# Altium PCB PCB 2 layer 10 x 10.PcbDoc (part 3 of 3)
Units mil, origin at the board's own origin, x right, y up, seen from the top; angles counter-clockwise.
Board outline 3937.01 x 3937.01 mil, 2 copper layers (Top Layer, Bottom Layer); 219 components, 191 nets, 758 pads, 513 vias.
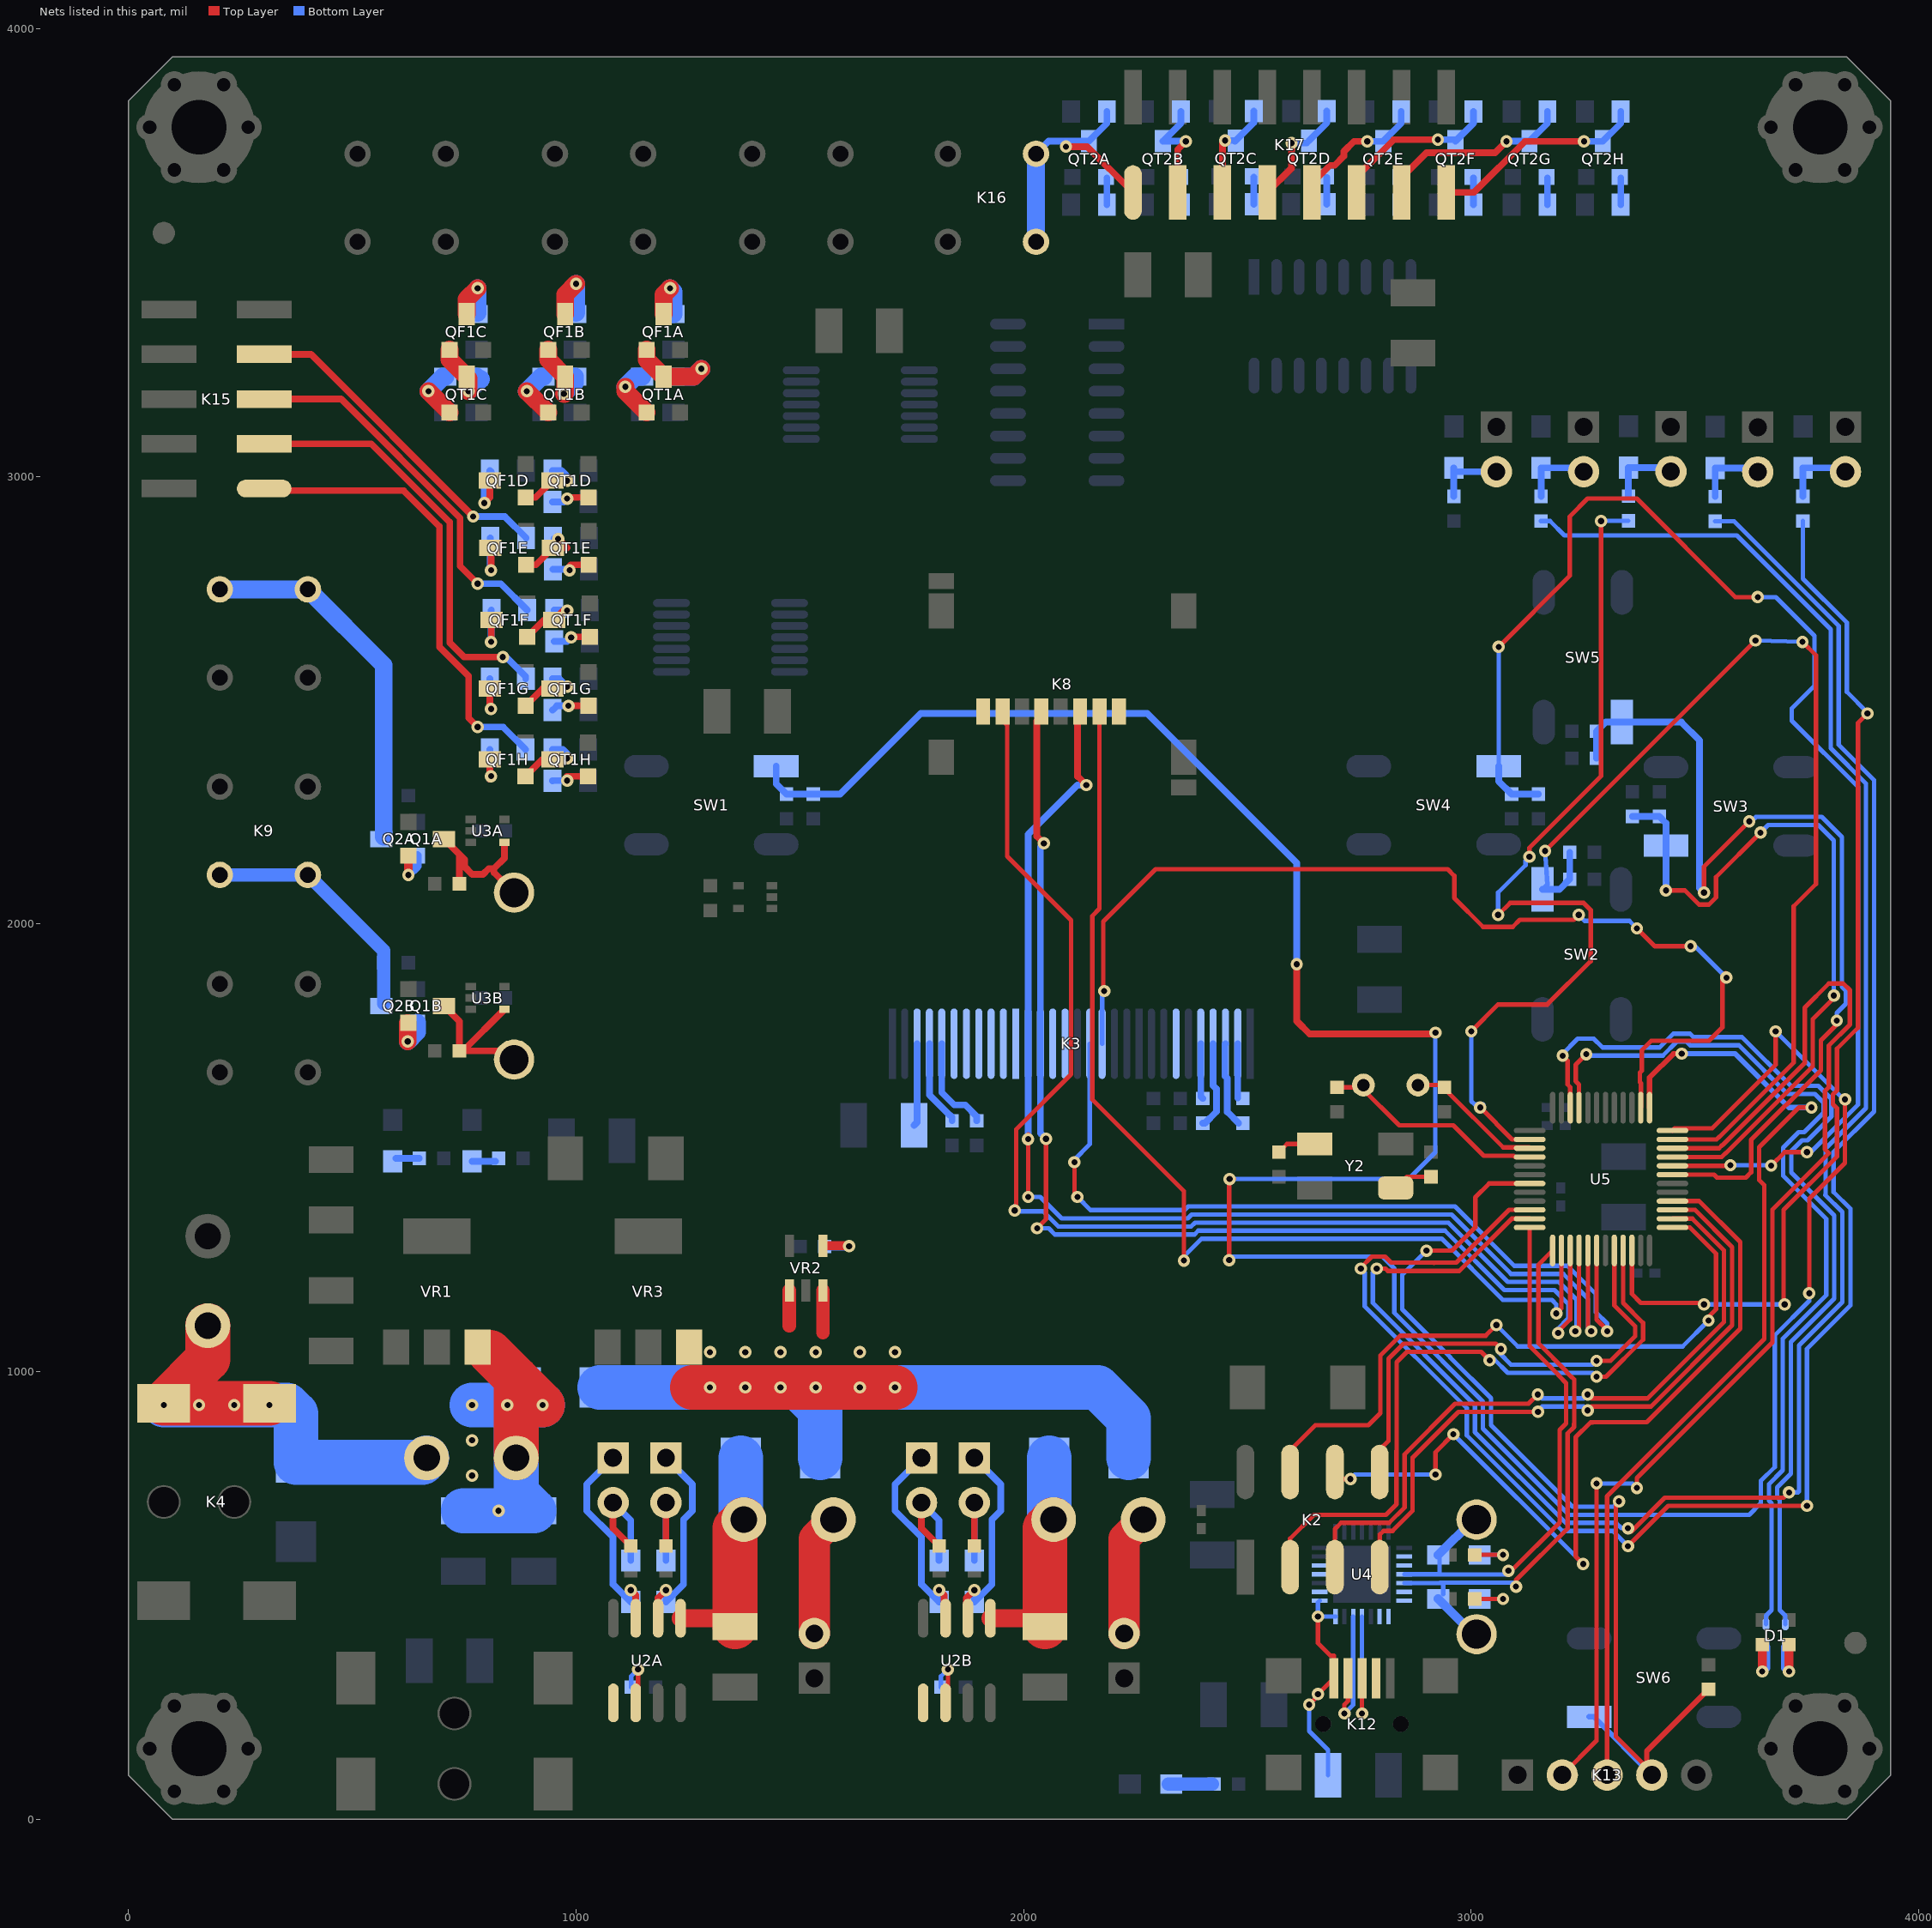
[diagram p3: the nets of this part, all layers, seen from the top]

## Via types
v1: diameter 27.56, hole 13.78, Top Layer to Bottom Layer, 513 vias

## Nets (pads, with @x,y where several pads share a name; then routed paths per layer and width w, separated by ;. In a path a pad name is that pad's centre, name@x,y a point inside that pad or via, vN(x,y) a via of type N, cw(c..) or ccw(c..) an arc to the next point about the centre after c; other vN are vias at no path point) (continued)
IROUTE: K15.7 R16E.1 | length 755.1
  Top Layer w15: K15.7@303.15,3272.44 407.56,3272.44 v1(770,2910)
  Bottom Layer w15: v1(770,2910) 840.63,2910 R16E.1@888.37,2862.26
IROUTF: K15.5 R16F.1 | length 845.9
  Top Layer w15: K15.5@303.15,3172.44 475.03,3172.44 740.72,2906.75 740.72,2799.28 v1(780,2760)
  Bottom Layer w15: v1(780,2760) 831.85,2760 R16F.1@890.83,2701.02
IROUTG: K15.3 R16G.1 | length 964
  Top Layer w15: K15.3@303.15,3072.44 542.51,3072.44 717.72,2897.23 717.72,2628.28 749.74,2596.26 v1(836.26,2596.26)
  Bottom Layer w15: v1(836.26,2596.26) 839.64,2596.26 841.69,2598.31 887.5,2552.5 R16G.1@887.5,2547.5
IROUTH: K15.1 R16H.1 | length 1037.6
  Top Layer w15: K15.1@303.15,2972.44 307.59,2968 614.42,2968 694.72,2887.7 694.72,2618.75 760,2553.47 760,2460 v1(780,2440)
  Bottom Layer w15: v1(780,2440) 836.81,2440 R16H.1@887.05,2389.76
KE: D2E.K K1E.1 U2A.7 | length 481.3
  Top Layer w15: v1(1122.05,511.81) 1133.27,500.59 U2A.7@1133.27,448.82
  Bottom Layer w15: K1E.1@1082.68,807.09 1023.62,748.03 1023.62,688.98 1082.68,629.92 1082.68,524.61 D2E.K@1122.05,485.24 v1(1122.05,511.81)
KF: D2F.K K1F.1 U2A.6 | length 467.6
  Top Layer w15: U2A.6@1183.27,448.82 1183.27,494.29 v1(1200.79,511.81)
  Bottom Layer w15: v1(1200.79,511.81) D2F.K@1200.79,485.24 1240.16,524.61 1240.16,669.29 1259.84,688.98 1259.84,748.03 K1F.1@1200.79,807.09
KG: D2G.K K1G.1 U2B.7 | length 481.3
  Top Layer w15: v1(1811.02,511.81) 1822.24,500.59 U2B.7@1822.24,448.82
  Bottom Layer w15: K1G.1@1771.65,807.09 1712.6,748.03 1712.6,688.98 1771.65,629.92 1771.65,524.61 D2G.K@1811.02,485.24 v1(1811.02,511.81)
KH: D2H.K K1H.1 U2B.6 | length 467.6
  Top Layer w15: U2B.6@1872.24,448.82 1872.24,494.29 v1(1889.76,511.81)
  Bottom Layer w15: v1(1889.76,511.81) D2H.K@1889.76,485.24 1929.13,524.61 1929.13,669.29 1948.82,688.98 1948.82,748.03 K1H.1@1889.76,807.09
LED: R3I.2 U5.11 | length 4507.9
  Top Layer w10: v1(2788.78,1230) 2808.54,1230 2813.82,1224.73 2973.43,1224.73 3090.12,1341.42 U5.11@3130.55,1341.42 ; v1(3350,650) 3357.27,642.73 3432.54,718 3698,718 v1(3710,730)
  Bottom Layer w10: v1(2788.78,1230) 2780,1221.22 2780,1153.33 3008,925.33 3008,865.09 3211.09,662 3323.46,662 3335.46,650 v1(3350,650) ; R3I.2@3156,2900 3176,2900 3208,2868 3593.09,2868 3803,2658.09 3803,2392.54 3882,2313.54 3882,1588.46 3791.54,1498 3791.54,1394.54 3791.14,1394.14 3829,1356.28 3829,1155.46 3732,1058.46 3732,732 3730,730 v1(3710,730)
LED_GREEN: D1.A1 U5.45 | length 2042.9
  Top Layer w10: U5.45@3240.79,1589.45 3240.79,1641.34 3233.22,1648.91 3233.22,1671.09 3233.22,1685.22 v1(3257,1709)
  Bottom Layer w10: v1(3257,1709) 3260.07,1705.93 3428.06,1705.93 3458.91,1736.78 3481.09,1736.78 3488.87,1729 3597.54,1729 3706.54,1620 3767.87,1620 3786.78,1601.09 3786.78,1577.69 3743.87,1534.78 3731.45,1534.78 3697,1500.33 3697,1437.37 3793,1341.37 3793,1170.37 3696,1073.37 3696,779.33 3665.22,748.55 3665.22,711.45 3671,705.67 3671,467.02 3658.35,454.37 D1.A1@3658.35,435.59
LED_ORANGE: D1.A2 U5.46 | length 2143
  Top Layer w10: v1(3204.26,1705.46) 3215.22,1694.49 3215.22,1641.45 3221.1,1635.57 U5.46@3221.1,1589.45
  Bottom Layer w10: v1(3204.26,1705.46) 3202,1707.71 3237.8,1743.51 3273.51,1743.51 3293.1,1723.93 3420.6,1723.93 3451.45,1754.78 3488.55,1754.78 3496.33,1747 3605,1747 3714,1638 3775.33,1638 3804.78,1608.55 3804.78,1570.24 3751.32,1516.78 3738.91,1516.78 3715,1492.87 3715,1444.82 3811,1348.82 3811,1162.91 3714,1065.91 3714,771.87 3683.22,741.09 3683.22,718.91 3689,713.13 3689,467.02 3701.65,454.37 D1.A2@3701.65,435.59
MISO: K8.7 U5.16 | length 2844.7
  Top Layer w10: K8.7@1952.76,2474.41 1952.76,2454.06 1963.22,2443.59 1963.22,2150.78 2106,2008 2106,1663.87 1983.06,1540.93 1983.06,1508.07 1983.22,1507.91 1983.22,1363.22 v1(1980,1360) ; v1(3232.54,1090) 3240.79,1098.25 U5.16@3240.79,1270.55
  Bottom Layer w10: v1(1980,1360) 1980,1370 1992,1358 2043.54,1358 2077.54,1324 2373.89,1324 2382.67,1332.78 2948.66,1332.78 3081.44,1200 3195.68,1200 3234.78,1160.9 3234.78,1092.24 v1(3232.54,1090)
MOSI: K3.19 K8.3 U5.17 | length 2786.1
  Top Layer w10: v1(2010,1390) 2010,1530 v1@2012,1528 ; U5.17@3260.47,1270.55 3260.47,1097.63 v1(3268.1,1090)
  Top Layer w15: K8.3@2125.98,2474.41 2120,2468.43 2120,2347.28 2120.5,2346.78 2120.5,2329.5 v1(2140,2310)
  Bottom Layer w10: v1(2010,1390) 2037,1390 2085,1342 2366.44,1342 2375.22,1350.78 2956.11,1350.78 3088.89,1218 3205.52,1218 3260.5,1163.02 3260.5,1097.6 v1(3268.1,1090)
  Bottom Layer w15: v1(2009.84,1519.16) K3.19@2009.84,1732.28 2009.84,2199.84 2120,2310 v1(2140,2310)
NetC3_2: C3.2 Y2.1 | length 89.3
  Top Layer w10: Y2.1@2831.1,1410 2856.1,1435 C3.2@2910,1435
NetC4_1: C4.1 Y2.3 | length 87.6
  Top Layer w10: C4.1@2570,1490 2588.43,1508.43 Y2.3@2650,1508.43
NetC10_1: C10.1 K3.3 | length 190.5
  Bottom Layer w15: K3.3@2450.79,1732.28 2449.5,1731 2449.5,1660.5 2454.97,1655.03 2454.97,1651.74 ; 2455,1651.71 2455,1580 C10.1@2480,1555
NetC10_2: C10.2 K3.2 | length 120.6
  Bottom Layer w15: C10.2@2478.35,1611.65 K3.2@2478.35,1732.28
NetC11_1: C11.1 K3.5 | length 124.1
  Bottom Layer w15: K3.5@2395.67,1732.28 2395.67,1614.33 C11.1@2400,1610
NetC11_2: C11.2 K3.4 | length 195.9
  Bottom Layer w15: C11.2@2400,1555 2405,1555 2430.5,1580.5 2430.5,1631.42 2423.23,1638.69 K3.4@2423.23,1732.28
NetC14_1: C14.1 K3.27 | length 193.5
  Bottom Layer w15: K3.27@1789.37,1732.28 1789.37,1618.1 1835.47,1572 1835.97,1572 1840,1567.97 C14.1@1840,1560
NetC15_2: C15.2 K3.28 | length 185.1
  Bottom Layer w15: C15.2@1755,1550 1761.81,1556.81 K3.28@1761.81,1732.28
NetC20_1: C20.1 VR2.4 | length 112.6
  Top Layer w20: VR2.4@1551.38,1281.1 v1@1608.9,1281.1
  Bottom Layer w20: C20.1@1555.12,1279.53 1555.59,1280 v1(1610,1280)
NetD1_K1: D1.K1 R2.1 | length 117.9
  Top Layer w20: v1(3650,330) R2.1@3650,390
  Bottom Layer w20: v1(3650,330) 3658.35,338.35 D1.K1@3658.35,384.41
NetD1_K2: D1.K2 R1.1 | length 117.9
  Top Layer w20: v1(3710,330) R1.1@3710,390
  Bottom Layer w20: D1.K2@3701.65,384.41 3701.65,338.35 v1(3710,330)
NetD2A_A: D2A.A K1A.2 R3A.1 | length 150
  Bottom Layer w15: R3A.1@3351,2955.5 D2A.A@3351,3019.24 K1A.2@3437.26,3019.24
NetD2B_A: D2B.A K1B.2 R3B.1 | length 150
  Bottom Layer w15: R3B.1@2961,2955 D2B.A@2961,3018.74 ; D2B.A@2969.74,3010 K1B.2@3056,3010
NetD2C_A: D2C.A K1C.2 R3C.1 | length 150
  Bottom Layer w15: R3C.1@3741,2955 D2C.A@3741,3018.74 K1C.2@3827.26,3018.74
NetD2D_A: D2D.A K1D.2 R3D.1 | length 150
  Bottom Layer w15: R3D.1@3545,2954.5 D2D.A@3545,3018.24 K1D.2@3631.26,3018.24
NetD2E_A: D2E.A K1E.2 R3E.1 | length 258.8
  Top Layer w15: K1E.2@1082.68,707.09 1082.68,649.61 R3E.1@1122.05,610.24
  Bottom Layer w15: K1E.2@1082.68,707.09 1122.05,667.72 D2E.A@1122.05,577.76
NetD2F_A: D2F.A K1F.2 R3F.1 | length 226.2
  Top Layer w15: R3F.1@1200.79,610.24 K1F.2@1200.79,707.09
  Bottom Layer w15: D2F.A@1200.79,577.76 K1F.2@1200.79,707.09
NetD2G_A: D2G.A K1G.2 R3G.1 | length 258.8
  Top Layer w15: K1G.2@1771.65,707.09 1771.65,649.61 R3G.1@1811.02,610.24
  Bottom Layer w15: K1G.2@1771.65,707.09 1811.02,667.72 D2G.A@1811.02,577.76
NetD2H_A: D2H.A K1H.2 R3H.1 | length 226.2
  Top Layer w15: R3H.1@1889.76,610.24 K1H.2@1889.76,707.09
  Bottom Layer w15: D2H.A@1889.76,577.76 K1H.2@1889.76,707.09
NetD2I_A: D2I.A K1I.2 R3I.1 | length 162.4
  Bottom Layer w15: R3I.1@3156,2955 D2I.A@3156,3018.74 3242.26,3018.74 K1I.2@3251,3010
NetD3_2: D3.2 K4.VCC K5.2 K6.1 | length 1158.1
  Top Layer w100: K6.1@177.17,1102.36 177.17,1027.56 K4.VCC@78.74,929.13 K4.VCC@314.96,929.13
  Bottom Layer w100: v1(78.74,925.2) 354.33,925.2 374.02,905.51 D3.2@374.02,797.24 656.3,797.24 K5.2@666.14,807.09
  other v1: 157.48,925.2 236.22,925.2 314.96,925.2
NetD4_2: D4.2 D5.2 D6.2 VR2.1 VR2.3 VR3.3 | length 2102.3
  Top Layer w30: 1476.38,1102.36 VR2.1@1476.38,1181.1 ; 1551.38,1086.42 VR2.3@1551.38,1181.1
  Top Layer w100: 1259.84,964.57 v1(1299.21,964.57) v1(1377.95,964.57) v1(1456.69,964.57) v1(1535.43,964.57) v1(1633.86,964.57) v1(1712.6,964.57)
  Bottom Layer w100: D4.2@1053.15,964.57 v1(1299.21,964.57) v1(1377.95,964.57) v1(1456.69,964.57) 1496.06,964.57 ; D5.2@1545.28,807.09 1545.28,915.35 1496.06,964.57 ; D6.2@2234.25,807.09 2234.25,895.67 2165.35,964.57 v1(1712.6,964.57) v1(1633.86,964.57) v1(1535.43,964.57) 1496.06,964.57
  other v1: 1299.21,1043.31 1377.95,1043.31 1456.69,1043.31 1535.43,1043.31 1633.86,1043.31 1712.6,1043.31
NetD7_A: D7.A R8.2 | length 115.3
  Top Layer w10: R8.2@3007.76,590.55 v1(3070.87,590.55)
  Bottom Layer w10: D7.A@3018.7,590.55 v1(3070.87,590.55)
NetD8_A: D8.A R9.2 | length 115.3
  Top Layer w10: R9.2@3007.76,492.13 v1(3070.87,492.13)
  Bottom Layer w10: D8.A@3018.7,492.13 v1(3070.87,492.13)
NetD9_A: D9.A R10.2 | length 98.4
  Bottom Layer w30: D9.A@2322.83,78.74 R10.2@2421.26,78.74
NetD10A_A: D10A.A R21A.1 | length 52.2
  Bottom Layer w15: D10A.A@767.72,1469.49 R21A.1@819.88,1469.49
NetD10B_A: D10B.A R21B.1 | length 52.2
  Bottom Layer w15: D10B.A@597.44,1476.38 R21B.1@649.61,1476.38
NetK3_7: K3.7
NetK3_16: K3.16
NetK3_17: K3.17
NetK3_20: K3.20
NetK3_21: K3.21
NetK3_22: K3.22
NetK3_23: K3.23
NetK3_24: K3.24
NetK3_25: K3.25
NetK3_26: K3.26 R4.2 | length 219
  Bottom Layer w15: K3.26@1816.93,1732.28 1816.93,1623.57 1845,1595.5 1869.5,1595.5 1895,1570 R4.2@1895,1560
NetK8_1: K8.1
NetK8_8: K8.8
NetK10A_2: K10A.2 K11A.2 | length 271.9
  Top Layer w70: K10A.2@1532.28,414.96 1532.28,626.77 K11A.2@1574.8,669.29
NetK10B_2: K10B.2 K11B.2 | length 271.9
  Top Layer w70: K10B.2@2224.41,414.96 2224.41,626.77 K11B.2@2266.93,669.29
NetK12_2: K12.2 U4.5 | length 306.7
  Top Layer w10: v1(2716.54,236.22) 2716.54,255.91 2724.41,263.78 K12.2@2724.41,314.96
  Bottom Layer w10: v1(2716.54,236.22) 2736.22,255.91 U4.5@2736.22,452.76
NetK12_3: K12.3 U4.4 | length 295.3
  Top Layer w10: v1(2755.91,236.22) K12.3@2755.91,314.96
  Bottom Layer w10: v1(2755.91,236.22) U4.4@2755.91,452.76
NetK12_4: K12.4
NetQ1A_D: Q1A.D R6A.2 TP1A.1 U3A.4 | length 364.7
  Top Layer w15: Q1A.D@705.19,2189.35 739.24,2155.3 ; R6A.2@739.24,2089.56 739.24,2155.3 ; U3A.4@839.76,2182.08 839.76,2146.65 816.5,2123.39 ; TP1A.1@861.41,2069.87 816.5,2114.78 816.5,2123.39 ; 739.24,2155.3 750.72,2143.82 750.72,2127.87 767.87,2110.72 792.13,2110.72 804.8,2123.39 816.5,2123.39
NetQ1A_S: Q1A.S Q2A.S | length 94.4
  Top Layer w20: v1(625.19,2109.24) Q1A.S@625.19,2152.35
  Bottom Layer w20: v1(625.19,2109.24) 644.87,2128.93 Q2A.S@644.87,2152.35
NetQ1B_D: Q1B.D R6B.2 TP1B.1 U3B.4 | length 375.1
  Top Layer w15: Q1B.D@705.19,1816.26 739.24,1782.21 R6B.2@739.24,1716.47 R6B.2@747.24,1716.47 ; U3B.4@839.76,1808.99 R6B.2@747.24,1716.47 ; TP1B.1@861.41,1696.78 841.72,1716.47 R6B.2@747.24,1716.47
NetQ1B_S: Q1B.S Q2B.S | length 90.9
  Top Layer w40: v1(623.93,1737.52) Q1B.S@623.93,1778
  Bottom Layer w40: v1(623.93,1737.52) 644.87,1758.47 Q2B.S@644.87,1779.26
NetQF1A_D: QF1A.D R16A.2 | length 124.1
  Top Layer w40: QF1A.D@1195.5,3362.5 1195.5,3405.5 v1(1210,3420)
  Bottom Layer w40: v1(1210,3420) 1217.5,3412.5 R16A.2@1217.5,3362.5
NetQF1A_G: QF1A.G QT1A.C R17A.2 | length 237.2
  Top Layer w40: QF1A.G@1157.5,3282.5 1157.5,3260.5 QT1A.C@1195.5,3222.5 1262.5,3222.5 v1(1280,3240)
  Bottom Layer w40: R17A.2@1217.5,3222.5 1262.5,3222.5 v1(1280,3240)
NetQF1B_D: QF1B.D R16B.2 | length 142.6
  Top Layer w40: QF1B.D@975.5,3362.5 975.5,3405.5 v1(1000,3430)
  Bottom Layer w40: R16B.2@1000,3365 v1(1000,3430)
NetQF1B_G: QF1B.G QT1B.C R17B.2 | length 155.3
  Top Layer w40: QF1B.G@937.5,3282.5 937.5,3260.5 QT1B.C@975.5,3222.5 975.5,3185.5 974.28,3184.28 v1(972.8,3184.28)
  Bottom Layer w40: v1@979.26,3190.74 997.5,3208.98 R17B.2@997.5,3222.5
NetQF1C_D: QF1C.D R16C.2 | length 122.6
  Top Layer w40: QF1C.D@755.5,3362.5 755.5,3395.5 v1(780,3420)
  Bottom Layer w40: R16C.2@780,3365 v1(780,3420)
NetQF1C_G: QF1C.G QT1C.C R17C.2 | length 146.5
  Top Layer w40: QF1C.G@717.5,3282.5 717.5,3260.5 QT1C.C@755.5,3222.5 ; v1(760,3190) QT1C.C@760,3218
  Bottom Layer w40: v1@765.5,3194.5 787.5,3216.5 R17C.2@777.5,3222.5
NetQF1D_D: QF1D.D R16D.2 | length 135.4
  Top Layer w15: v1(795,2940) 807.5,2952.5 QF1D.D@807.5,2990.5
  Bottom Layer w15: v1(795,2940) 795,2995 810,3010 R16D.2@807.5,3012.5
NetQF1D_G: QF1D.G QT1D.C R17D.2 | length 169.6
  Top Layer w15: QF1D.G@887.5,2952.5 909.5,2952.5 QT1D.C@947.5,2990.5 ; QT1D.C@948,2990 v1(980,2990)
  Bottom Layer w15: R17D.2@947.5,3012.5 967.5,3012.5 990,2990 v1(980,2990)
NetQF1E_D: QF1E.D R16E.2 | length 123.9
  Top Layer w15: QF1E.D@808.37,2840.26 810,2838.63 v1(810,2790)
  Bottom Layer w15: R16E.2@808.37,2862.26 808.37,2791.63 v1(810,2790)
NetQF1E_G: QF1E.G QT1E.C R17E.2 | length 144.4
  Top Layer w15: QF1E.G@888.37,2802.26 910.37,2802.26 QT1E.C@948.37,2840.26 979.74,2840.26 v1(960,2860)
  Bottom Layer w15: R17E.2@950.63,2860 v1(960,2860)
NetQF1F_D: QF1F.D R16F.2 | length 120.7
  Top Layer w15: v1(810,2630) 810.83,2630.83 QF1F.D@810.83,2679.02
  Bottom Layer w15: v1(810,2630) 810,2700.2 R16F.2@810.83,2701.02
NetQF1F_G: QF1F.G QT1F.C R17F.2 | length 157.3
  Top Layer w15: QF1F.G@890.83,2641.02 928.83,2679.02 QT1F.C@950.83,2679.02 971.8,2700 v1(980,2700)
  Bottom Layer w15: R17F.2@950.83,2701.02 968.98,2701.02 980,2690 v1(980,2700)
NetQF1G_D: QF1G.D R16G.2 | length 115.1
  Top Layer w15: QF1G.D@807.5,2525.5 807.5,2482.5 v1(810,2480)
  Bottom Layer w15: R16G.2@807.5,2547.5 807.5,2482.5 v1(810,2480)
NetQF1G_G: QF1G.G QT1G.C R17G.2 | length 149.9
  Top Layer w15: QF1G.G@887.5,2487.5 925.5,2525.5 QT1G.C@947.5,2525.5 952,2530 v1(980,2530)
  Bottom Layer w15: R17G.2@947.5,2547.5 962.5,2547.5 v1(980,2530)
NetQF1H_D: QF1H.D R16H.2 | length 128.2
  Top Layer w15: QF1H.D@807.05,2367.76 807.05,2322.95 810,2325.91 v1(810,2330)
  Bottom Layer w15: R16H.2@807.05,2389.76 807.05,2322.95 810,2325.91 v1(810,2330)
NetQF1H_G: QF1H.G QT1H.C R17H.2 | length 170.8
  Top Layer w15: QF1H.G@887.05,2329.76 925.05,2367.76 QT1H.C@947.05,2367.76 977.76,2367.76 v1(980,2370)
  Bottom Layer w15: R17H.2@947.05,2389.76 970.24,2389.76 990,2370 v1(980,2370)
NetQT1A_B: QT1A.B R18A.2 | length 124
  Top Layer w40: v1(1110,3200) 1110,3190 QT1A.B@1157.5,3142.5
  Bottom Layer w40: v1(1110,3200) 1132.5,3222.5 R18A.2@1147.5,3222.5
NetQT1B_B: QT1B.B R18B.2 | length 118.1
  Top Layer w40: v1(890,3190) QT1B.B@937.5,3142.5
  Bottom Layer w40: v1(890,3190) 922.5,3222.5 R18B.2@927.5,3222.5
NetQT1C_B: QT1C.B R18C.2 | length 118.1
  Top Layer w40: v1(670,3190) QT1C.B@717.5,3142.5
  Bottom Layer w40: v1(670,3190) 702.5,3222.5 R18C.2@707.5,3222.5
NetQT1D_B: QT1D.B R18D.2 | length 84.1
  Top Layer w15: v1(980,2950) 982.5,2952.5 QT1D.B@1027.5,2952.5
  Bottom Layer w15: R18D.2@947.5,2942.5 972.5,2942.5 v1(980,2950)
NetQT1E_B: QT1E.B R18E.2 | length 91.3
  Top Layer w15: v1(985.47,2790) 985.47,2799.06 988.68,2802.26 QT1E.B@1028.37,2802.26
  Bottom Layer w15: R18E.2@948.37,2792.26 983.21,2792.26 v1(985.47,2790)
NetQT1F_B: QT1F.B R18F.2 | length 84.1
  Top Layer w15: v1(989.05,2640) 990.07,2641.02 QT1F.B@1030.83,2641.02
  Bottom Layer w15: R18F.2@950.83,2631.02 980.07,2631.02 v1(989.05,2640)
NetQT1G_B: QT1G.B R18G.2 | length 84.9
  Top Layer w15: v1(982.9,2487.1) 982.5,2487.5 QT1G.B@1027.5,2487.5
  Bottom Layer w15: R18G.2@947.5,2477.5 957.1,2487.1 v1(982.9,2487.1)
NetQT1H_B: QT1H.B R18H.2 | length 89.7
  Top Layer w15: v1(980,2320) 980,2329.53 980.24,2329.76 QT1H.B@1027.05,2329.76
  Bottom Layer w15: R18H.2@947.05,2319.76 947.28,2320 v1(980,2320)
NetQT2A_B: QT2A.B R20A.2 | length 60
  Bottom Layer w15: R20A.2@2185.85,3606.56 QT2A.B@2185.85,3666.56
NetQT2B_B: QT2B.B R20B.2 | length 60
  Bottom Layer w15: R20B.2@2351.2,3606.56 QT2B.B@2351.2,3666.56
NetQT2C_B: QT2C.B R20C.2 | length 60
  Bottom Layer w15: R20C.2@2513.99,3607.82 QT2C.B@2513.99,3667.82
NetQT2D_B: QT2D.B R20D.2 | length 60
  Bottom Layer w15: R20D.2@2677.34,3607.48 QT2D.B@2677.34,3667.48
NetQT2E_B: QT2E.B R20E.2 | length 60
  Bottom Layer w15: R20E.2@2843.33,3606.56 QT2E.B@2843.33,3666.56
NetQT2F_B: QT2F.B R20F.2 | length 60
  Bottom Layer w15: R20F.2@3004.74,3606.56 QT2F.B@3004.74,3666.56
NetQT2G_B: QT2G.B R20G.2 | length 60
  Bottom Layer w15: R20G.2@3170.1,3606.56 QT2G.B@3170.1,3666.56
NetQT2H_B: QT2H.B R20H.2 | length 60
  Bottom Layer w15: R20H.2@3333.89,3606.49 QT2H.B@3333.89,3666.49
NetR5A_2: R5A.2 U2A.2 | length 122.8
  Top Layer w10: U2A.2@1133.27,259.84 1138.58,265.16 v1(1138.58,334.65)
  Bottom Layer w10: R5A.2@1122.95,295.28 1122.95,319.02 v1(1138.58,334.65)
NetR5B_2: R5B.2 U2B.2 | length 122.8
  Top Layer w10: U2B.2@1825.39,259.84 1830.71,265.16 v1(1830.71,334.65)
  Bottom Layer w10: R5B.2@1815.08,295.28 1815.08,319.02 v1(1830.71,334.65)
NetU2A_1: U2A.1
NetU2B_1: U2B.1
NetU4_1: U4.1
NetU4_2: U4.2
NetU4_9: U4.9
NetU4_11: U4.11
NetU4_12: U4.12
NetU4_23: U4.23
NetU4_24: U4.24
NetU4_27: U4.27
NetU4_28: U4.28
NRF24L01+_CE: K2.3 U5.21 | length 1487.9
  Top Layer w10: K2.3@2595.28,562.99 2595.28,626.77 2648.5,680 2809.09,680 2833,703.91 2833,822.56 2833.22,822.78 2833.22,1021.09 2856.13,1044 3022.13,1044 v1(3041.06,1025.06) ; v1(3280,988.44) 3300.99,988.44 3384,1071.45 3384,1108.55 3339.21,1153.33 3339.21,1212.54 U5.21@3339.21,1270.55
  Bottom Layer w10: v1(3041.06,1025.06) 3043.27,1027.27 3051.27,1027.27 3081.32,997.22 3271.22,997.22 v1(3280,988.44)
NRF24L01+_CSN: K2.4 U5.25 | length 1496
  Top Layer w10: K2.4@2595.28,775.59 2595.28,823.62 2651.65,880 2770,880 2797,907 2797,1035.78 2841.22,1080 3032,1080 v1(3056,1104) ; U5.25@3449.45,1321.73 3488.27,1321.73 3546.78,1263.22 3546.78,1138.91 3530,1122.13 v1(3530,1113.9)
  Bottom Layer w10: v1(3056,1104) 3104,1056 3472.1,1056 v1(3530,1113.9)
NRF24L01+_IRQ: K2.8 U5.20 | length 1091.6
  Top Layer w10: K2.8@2795.28,775.59 2795.28,825.28 2815.22,845.22 2815.22,1028.55 2848.67,1062 3054.42,1062 v1(3066.21,1050.21) ; v1(3280,1024) 3311.09,1024 3366,1078.91 3366,1101.09 3319.53,1147.56 U5.20@3319.53,1270.55
  Bottom Layer w10: v1(3066.21,1050.21) 3064,1048 3064,1040 3088.78,1015.22 3271.22,1015.22 v1(3280,1024)
NRF24L01+_LED: R3C.2 U5.22 | length 2344.5
  Top Layer w10: U5.22@3358.9,1270.55 3358.9,1173.23 3378.91,1153.22 3516.78,1153.22 v1(3520,1150) ; v1(3700,1150) 3698,1150 3698,1361.22 3817,1480.22 3817,1588.13 3808.22,1596.91 3808.22,1619.09 3817,1627.87 3817,1721 3864,1768 3864,2448.88 v1(3885.12,2470)
  Bottom Layer w10: v1(3520,1150) v1(3700,1150) ; R3C.2@3741,2900 3741,2771 3839,2673 3839,2518.43 3885.12,2472.31 v1(3885.12,2470)
NRF24L01+_MISO: K2.7 U5.27 | length 1474.2
  Top Layer w10: K2.7@2795.28,562.99 2795.28,635.28 2804,644 2824,644 2869,689 2869,807.65 2971.35,910 v1(3149,910) ; v1(3260,913.22) 3268.78,922 3401.43,922 3582.78,1103.35 3582.78,1278.13 3499.81,1361.1 U5.27@3449.45,1361.1
  Bottom Layer w10: v1(3149,910) 3149,912.22 3158.78,922 3251.22,922 v1(3260,913.22)
NRF24L01+_MOSI: K2.6 U5.28 | length 1892.8
  Top Layer w10: K2.6@2695.28,775.59 2710.87,760 v1(2730,760) ; v1(2920,770) 2920,820 v1(2960,860) ; v1(3250,570) 3233.22,586.78 3233.22,853.09 3266.57,886.44 3271.09,886.44 3271.65,887 3391.89,887 3600.78,1095.89 3600.78,1289.22 3509.21,1380.79 U5.28@3449.45,1380.79
  Bottom Layer w10: v1(2730,760) 2740,770 v1(2920,770) ; v1(2960,860) v1(3250,570)
NRF24L01+_SCK: K2.5 U5.26 | length 1534.8
  Top Layer w10: K2.5@2695.28,562.99 2695.28,648.03 2709.24,662 2816.54,662 2851,696.46 2851,815.1 2963.9,928 3127.81,928 v1(3148.59,948.78) ; v1(3260,948.78) 3268.78,940 3393.97,940 3564.78,1110.81 3564.78,1270.68 3494.04,1341.42 U5.26@3449.45,1341.42
  Bottom Layer w10: v1(3148.59,948.78) 3150,948.78 3158.78,940 3251.22,940 v1(3260,948.78)
NRST_14: C33.1 K13.4 SW6.1 U5.7 | length 2287
  Top Layer w10: v1(2900,1270) 2957,1270 3009,1322 3009,1389.16 3040,1420.16 U5.7@3130.55,1420.16 ; v1(3330,710) 3323.22,703.22 3323.22,184.78 3392.09,115.91 3392.09,122 3403.31,110.78 K13.4@3403.31,98.78
  Top Layer w12: K13.4@3392.09,110 K13.4@3403.31,98.78 ; K13.4@3392.09,122 3392.09,152.09 C33.1@3530,290
  Bottom Layer w10: v1(2900,1270) 2846,1216 2846,1139 2953,1032 2953,1031.24 3044,940.24 3044,880 3226,698 3318,698 v1(3330,710)
  Bottom Layer w12: SW6.1@3263.31,228.78 3273.31,228.78 K13.4@3403.31,98.78
OLED_LD: R3D.2 U5.10 | length 4279.6
  Top Layer w10: v1(2753.22,1230) 2753.22,1232.31 2777.69,1256.78 2807.22,1256.78 2820.78,1243.22 2917.37,1243.22 ; 2916.87,1242.73 2917.37,1243.22 ; U5.10@3130.55,1361.1 3084.35,1361.1 2966.47,1243.22 2917.37,1243.22 ; v1(3350,610) 3440,700 v1(3750,700)
  Bottom Layer w10: v1(2753.22,1230) 2762,1221.22 2762,1145.87 2990,917.87 2990,857.63 3203.63,644 3316,644 v1(3350,610) ; R3D.2@3545,2899.5 3587.04,2899.5 3821,2665.54 3821,2400 3900,2321 3900,1581 3809.54,1490.54 3809.54,1401.19 3847,1363.73 3847,1148 3750,1051 v1(3750,700)
OLED_RST: K3.14 U5.18 | length 1897.7
  Top Layer w10: v1(2113.38,1467.63) 2113.38,1396.62 v1(2120,1390) ; U5.18@3280.16,1270.55 3280.16,1115.81 3303.66,1092.31 v1(3303.66,1090)
  Bottom Layer w10: v1(2113.38,1467.63) 2113.38,1473.38 2147.64,1507.64 K3.14@2147.64,1732.28 ; v1(2120,1390) 2149.06,1360.94 2359.92,1360.94 2367.76,1368.78 2963.57,1368.78 3096.35,1236 3215.36,1236 3278.5,1172.86 3278.5,1132.59 3303.66,1107.43 v1(3303.66,1090)
OLED_SCK/SD_SCK: K3.18 K8.5 U5.15 | length 2726.2
  Top Layer w10: v1(2030,1320) 2050,1340 v1(2050,1520) ; v1(3194,1086) 3194,1093.59 3194.85,1094.44 3196.98,1092.31 3221.1,1116.44 U5.15@3221.1,1270.55
  Top Layer w15: K8.5@2039.37,2474.41 2045,2468.78 2029.5,2453.28 2029.5,2195.5 v1(2045,2180)
  Bottom Layer w10: v1(2030,1320) 2056.09,1320 2070.09,1306 2381.35,1306 2390.13,1314.78 2941.2,1314.78 3073.98,1182 3185.84,1182 3216.78,1151.06 3216.78,1118.91 3192.31,1094.44 3194,1092.75 v1(3194,1086)
  Bottom Layer w15: v1(2045,2180) 2037.4,2172.4 K3.18@2037.4,1732.28 2037.4,1533.01 2039.12,1531.29 2039.12,1530.88 v1(2050,1520)
OLED_SS: K3.13 U5.38 | length 2335
  Top Layer w10: v1(2180,1850) 2178,1852 2178,2005 2295,2122 2947.46,2122 2962,2107.46 2962,2057.76 3026.54,1993.22 3092.54,1993.22 3108.32,2009 3229,2009 v1(3240,2020) ; v1(3370,1990) 3410,1950 v1(3490,1950) ; U5.38@3378.58,1589.45 3379.27,1590.13 3379.27,1643.86 3376.78,1646.35 3376.78,1667.87 3381,1672.09 3381,1717.87 3402.13,1739 3531.12,1739 3561,1768.88 3561,1882.42 3568.58,1890 3570,1888.58 v1(3570,1880)
  Bottom Layer w10: K3.13@2175.2,1732.28 2175.2,1845.2 v1(2180,1850) ; v1(3240,2020) 3253.22,2006.78 3353.22,2006.78 v1(3370,1990) ; v1(3490,1950) 3500,1950 v1(3570,1880)
PB0: C28.1 R11.1 SW1.1 U5.36 | length 6148.1
  Top Layer w10: v1(2459,1249) 2459,1419 2470,1430 v1(2460,1430) ; U5.36@3449.45,1538.27 3454.45,1543.27 3538.22,1543.27 3680,1685.05 v1(3680,1760) ; v1(3755,1175) 3755,1386 3835,1466 v1(3835,1608)
  Top Layer w15: v1(2610,1910) 2610,1783 2639,1754 2917,1754 v1(2920,1757)
  Bottom Layer w10: v1(2459,1249) 2466.78,1256.78 2801.71,1256.78 2828.49,1230 2828.49,1223.95 2828,1223.46 2828,1131.54 2935,1024.54 2935,1023.78 3026,932.78 3026,872.54 3218.54,680 3621,680 3647.22,706.22 3647.22,756 3678,786.78 3678,1080.82 3755,1157.82 v1(3755,1175) ; v1(2460,1430) 2860,1430 2919.61,1489.61 v1@2919.61,1757 ; v1@2919.61,1757.39 v1(2920,1757) ; v1(3680,1760) 3832,1608 v1(3835,1608)
  Bottom Layer w15: SW1.1@1447.01,2352.52 1447.01,2312.99 R11.1@1470,2290 C28.1@1530,2290 1590,2290 1770,2470 2276,2470 2610,2136 v1(2610,1910)
PB1: C29.1 R12.1 SW2.1 U5.35 | length 2305.5
  Top Layer w10: v1(3165,2163) v1(3635,2633) ; U5.35@3449.45,1518.58 3547.8,1518.58 3553,1523.78 3554.08,1523.78 3720.22,1689.92 3720.22,2039.22 3770,2089 3770,2600 v1(3740,2630)
  Bottom Layer w10: SW2.1@3159.29,2076.93 3170,2087.64 v1(3165,2163) ; v1(3635,2633) v1(3740,2630)
  Bottom Layer w15: SW2.1@3159.29,2076.93 3196.93,2076.93 R12.1@3220,2100 C29.1@3220,2160
PB2: C30.1 R13.1 SW3.1 U5.33 | length 1660
  Top Layer w10: v1(3434.88,2074.88) 3477.25,2074.88 3508.91,2043.22 3531.09,2043.22 3546.78,2058.91 3546.78,2104.36 v1(3646.21,2203.79) ; U5.33@3449.45,1479.21 3559.34,1479.21 3567.91,1487.78 3569,1487.78 3763,1681.78 3763,1787.24 3810,1834.24 v1(3810,1840)
  Bottom Layer w10: v1(3646.21,2203.79) 3663.42,2221 3775.54,2221 3810,2186.54 v1@3810,1835.71
  Bottom Layer w15: C30.1@3360,2240 R13.1@3420,2240 3434.88,2225.12 SW3.1@3434.88,2175.04 v1(3434.88,2074.88)
PB3: C31.1 R14.1 SW4.1 U5.32 | length 3049.1
  Top Layer w10: v1(3061.18,2618.82) 3220,2777.64 3220,2910 3260,2950 3370,2950 3590,2730 v1(3640,2730) ; U5.32@3449.45,1459.53 v1@3579,1459.53 ; v1(3670,1460) 3700,1490 v1(3750,1490)
  Bottom Layer w10: SW4.1@3061.18,2352.52 v1(3061.18,2618.82) ; v1(3579,1461) 3669,1461 v1(3670,1460) ; v1(3640,2730) 3680.18,2730 3766.78,2643.4 3766.78,2531.77 3716.1,2481.09 3716.1,2453.99 3864,2306.09 3864,1595.91 3758.09,1490 v1(3750,1490)
  Bottom Layer w15: SW4.1@3061.18,2352.52 3061.18,2318.82 R14.1@3090,2290 C31.1@3150,2290
PB4: C32.1 R15.1 SW5.1 U5.31 | length 2125.8
  Top Layer w10: U5.31@3449.45,1439.84 3542.29,1439.84 3548.91,1433.22 3613.22,1433.22 3625.22,1445.22 3625.22,1517.22 3781,1673 3781,1739.68 3825.32,1784 v1(3816.66,1784) ; v1(3520,2070) 3520,2127.87 v1(3621.06,2228.94)
  Bottom Layer w10: v1(3621.06,2228.94) 3626.02,2228.94 3636.09,2239 3783,2239 3828,2194 3828,1859.87 3836.78,1851.09 3836.78,1821.04 3816.66,1800.92 v1(3816.66,1784)
  Bottom Layer w15: C32.1@3280,2370 R15.1@3280,2430 3300.63,2450.63 SW5.1@3336.77,2450.63 3469.37,2450.63 3510,2410 3510,2080 v1(3520,2070)
RTC_IN: C1.2 U5.4 Y1.1 | length 502.2
  Top Layer w10: C1.2@2700,1635 Y1.1@2753.98,1635 ; Y1.1@2758.98,1640 Y1.1@2753.98,1635 ; U5.4@3130.55,1479.21 3097.86,1479.21 3095.08,1481.99 3028.01,1481.99 2960,1550 2838.98,1550 Y1.1@2753.98,1635
RTC_IN_MCU: C2.2 U5.3 Y1.2 | length 309.7
  Top Layer w10: Y1.2@2881.02,1640 2935,1640 C2.2@2940,1635 2940,1632.13 3071.55,1500.58 3128.87,1500.58 U5.3@3130.55,1498.9
RTC_LED: R3A.2 U5.2 | length 2042.4
  Top Layer w10: v1(3000,1760) 3060,1820 3170,1820 3266.78,1916.78 3266.78,2031.09 3251.09,2046.78 3086.78,2046.78 v1(3060,2020) ; v1(3020,1590) 3091.42,1518.58 U5.2@3130.55,1518.58 ; v1(3130,2150) 3130,2170 3290,2330 v1(3290,2900)
  Bottom Layer w10: v1(3000,1760) 3000,1604 3007.22,1596.78 3026.78,1596.78 v1(3020,1590) ; v1(3060,2020) 3060,2070 3121.29,2131.29 3121.29,2141.29 v1(3130,2150) ; v1(3290,2900) 3290.5,2900.5 R3A.2@3351,2900.5
RX: D8.K TP3.1 U4.26 U5.13 | length 1245.2
  Top Layer w10: v1(3100,519.62) 3100,534 3215.22,649.22 3215.22,861.98 3229.78,876.54 3229.78,883.11 3229.89,883.22 3229.89,982.24 3224.13,988 3223.61,988 3213.06,998.54 3213.06,999.96 3150,1063.02 3150,1238.82 U5.13@3181.73,1270.55
  Bottom Layer w10: U4.26@2850.39,527.56 2929.13,527.56 ; D8.K@2937.29,503.23 2937.29,527.56 2929.13,527.56 ; v1@3100,528.4 3099.81,528.21 3072.03,528.21 3071.84,528.4 2929.98,528.4 2929.13,527.56
  Bottom Layer w20: D8.K@2926.18,492.13 TP3.1@3004.92,413.39
SD_SS: K8.2 U5.14 | length 2401.6
  Top Layer w10: K8.2@2169.29,2474.41 2169.29,2034.04 2153.22,2017.97 2153.22,1607.78 2358,1403 v1(2358,1248) ; v1(3190,1130) 3201.42,1141.42 U5.14@3201.42,1270.55
  Bottom Layer w10: v1(2358,1248) 2358,1257.2 2397.58,1296.78 2933.74,1296.78 3070.52,1160 3180,1160 3190,1150 v1(3190,1130)
SSROUTA: K16.2 K17.1 QT2A.C R19A.2 | length 618.8
  Top Layer w15: v1(2094.49,3736.22) 2141.73,3736.22 K17.1@2244.09,3633.86
  Bottom Layer w15: K16.2@2027.56,3720.47 2055.64,3748.56 2106.82,3748.56 ; v1(2094.49,3736.22) 2106.82,3748.56 ; R19A.2@2185.85,3814.56 2185.85,3788.56 QT2A.C@2145.85,3748.56 2106.82,3748.56
  Bottom Layer w40: K16.2@2027.56,3523.62 K16.2@2027.56,3720.47
SSROUTB: K17.3 QT2B.C R19B.2 | length 255.5
  Top Layer w15: K17.3@2344.09,3633.86 2344.09,3729.92 v1(2362.2,3748.03)
  Bottom Layer w15: R19B.2@2351.2,3814.56 2351.2,3788.56 QT2B.C@2311.2,3748.56 2361.68,3748.56 v1(2362.2,3748.03)
SSROUTC: K17.5 QT2C.C R19C.2 | length 226.7
  Top Layer w15: K17.5@2444.09,3633.86 2444.09,3744.09 v1(2450,3750)
  Bottom Layer w15: v1(2450,3750) 2470.24,3750 2472.2,3748.03 QT2C.C@2473.99,3749.82 2513.99,3789.82 R19C.2@2513.99,3815.82
SSROUTD: K17.7 QT2D.C R19D.2 | length 248.8
  Top Layer w15: K17.7@2544.09,3633.86 2598.43,3688.19 v1(2598.43,3744.09)
  Bottom Layer w15: v1(2598.43,3744.09) QT2D.C@2631.95,3744.09 ; QT2D.C@2637.34,3749.48 2677.34,3789.48 R19D.2@2677.34,3815.48
SSROUTE: K17.9 QT2E.C R19E.2 | length 306.4
  Top Layer w15: K17.9@2644.09,3633.86 2644.09,3654.09 2684.5,3694.5 2694.7,3694.5 2715.5,3715.3 2715.5,3725.5 2738.03,3748.03 v1(2767.72,3748.03)
  Bottom Layer w15: v1(2767.72,3748.03) QT2E.C@2802.8,3748.03 ; QT2E.C@2803.33,3748.56 2843.33,3788.56 R19E.2@2843.33,3814.56
SSROUTF: K17.11 QT2F.C R19F.2 | length 369.5
  Top Layer w15: K17.11@2744.09,3633.86 2744.09,3669.29 2826.77,3751.97 v1(2925.2,3751.97)
  Bottom Layer w15: v1(2925.2,3751.97) QT2F.C@2961.33,3751.97 ; QT2F.C@2964.74,3748.56 3004.74,3788.56 R19F.2@3004.74,3814.56
SSROUTG: K17.13 QT2G.C R19G.2 | length 435.5
  Top Layer w15: K17.13@2844.09,3633.86 2844.09,3666.93 2899.85,3722.69 3053.4,3722.69 v1(3078.74,3748.03)
  Bottom Layer w15: v1(3078.74,3748.03) 3079.26,3748.56 QT2G.C@3130.1,3748.56 3170.1,3788.56 R19G.2@3170.1,3814.56
SSROUTH: K17.15 QT2H.C R19H.2 | length 479.8
  Top Layer w15: K17.15@2944.09,3633.86 3005.97,3633.86 3120.15,3748.03 v1(3251.97,3748.03)
  Bottom Layer w15: v1(3251.97,3748.03) 3293.43,3748.03 QT2H.C@3293.89,3748.49 3333.89,3788.49 R19H.2@3333.89,3814.49
SWCLK_14: K13.3 U5.37 | length 2207.4
  Top Layer w10: K13.3@3303.31,98.78 3303.22,98.87 3303.22,721.09 3654.78,1072.65 3654.78,1416.22 3643,1428 3643,1437.54 3643.22,1437.76 3643.22,1501.22 3732,1590 v1(3760,1590)
  Top Layer w12: U5.37@3398.27,1589.45 3398.27,1656.71 3451.56,1710 v1(3470,1710)
  Bottom Layer w12: v1(3470,1710) 3589.67,1710 3709.67,1590 v1(3760,1590)
SWDIO_14: K13.2 U5.34 | length 2720.9
  Top Layer w10: K13.2@3203.31,98.78 3280,175.47 v1(3280,750) ; v1(3370,740) 3370,762 3673,1065 3673,1361.68 3799,1487.68 3790.22,1496.46 3790.22,1626.55 3799,1635.33 3799,1728.46 3846,1775.46 3846,1851.78 3831,1866.78 3798.91,1866.78 3745,1812.87 3745,1689.24 3561.54,1505.78 3560.45,1505.78 3553.57,1498.9 U5.34@3449.45,1498.9
  Bottom Layer w10: v1(3280,750) 3360,750 v1(3370,740)
TX: D7.K TP2.1 U4.25 U5.12 | length 1250
  Top Layer w10: v1(3083.12,554.99) 3089.81,554.99 3197.22,662.4 3197.22,869.44 3211.78,884 3211.78,890.56 3211.89,890.67 3211.89,974.26 3195.06,991.09 3195.06,992.5 3130.55,1057.01 U5.12@3130.55,1321.73
  Bottom Layer w10: U4.25@2850.39,547.24 2929.13,547.24 ; D7.K@2929.13,587.6 2929.13,547.24 ; v1(3083.12,554.99) 3083.12,548.3 3081.22,546.4 2929.98,546.4 2929.13,547.24
  Bottom Layer w20: D7.K@2926.18,590.55 TP2.1@3004.92,669.29
VBATOUTA: C24A.2 D5.1 K11A.1 U2A.5 | length 517.3
  Top Layer w40: U2A.5@1233.27,448.82 1336.57,448.82 C24A.2@1355.12,430.28
  Top Layer w100: C24A.2@1355.12,430.28 1355.12,649.61 K11A.1@1374.8,669.29
  Bottom Layer w100: D5.1@1368.11,807.09 1368.11,675.98 K11A.1@1374.8,669.29
VBATOUTB: C24B.2 D6.1 K11B.1 U2B.5 | length 518.6
  Top Layer w40: U2B.5@1925.39,448.82 2028.7,448.82 C24B.2@2047.25,430.28
  Top Layer w100: C24B.2@2047.25,430.28 2047.25,649.61 K11B.1@2066.93,669.29
  Bottom Layer w100: D6.1@2057.09,807.09 2057.09,679.14 K11B.1@2066.93,669.29
VRAW: C18.1 C19.1 D4.1 K5.1 VR1.3 | length 941.2
  Top Layer w100: VR1.3@807.09,1043.31 866.14,984.25 ; K5.1@866.14,807.09 866.14,984.25 ; v1(925.2,925.2) 866.14,984.25
  Bottom Layer w100: C19.1@748.03,688.98 C18.1@905.51,688.98 866.14,728.35 K5.1@866.14,807.09 D4.1@866.14,925.2 ; v1(767.72,925.2) v1(846.46,925.2) D4.1@866.14,925.2 ; D4.1@866.14,954.72 D4.1@866.14,925.2 ; v1(925.2,925.2) D4.1@866.14,925.2
  other v1: 826.77,688.98 767.72,767.72 767.72,846.46
VUSB: C26.1 K12.1 U4.7 U4.8 | length 527.6
  Top Layer w10: v1(2637.8,255.91) 2661.42,279.53 v1(2657.48,279.53) K12.1@2692.91,314.96 2692.91,365.7 2685.25,365.7 2657.48,393.47 v1(2657.48,452.76)
  Bottom Layer w10: v1(2657.48,279.53) 2657.48,275.59 v1(2637.8,255.91) 2637.8,196.85 2679.96,154.69 C26.1@2679.96,98.43 ; U4.8@2661.42,488.19 2657.48,484.25 v1(2657.48,452.76) U4.7@2696.85,452.76
WSOUTA: K9.6 Q2A.D R7A.2 | length 819.6
  Bottom Layer w40: K9.6@203.98,2747.28 K9.6@400.83,2747.28 570.19,2577.92 R7A.2@570.19,2286.41 Q2A.D@570.19,2194.67
WSOUTB: K9.3 Q2B.D R7B.2 | length 558.2
  Bottom Layer w30: K9.3@203.98,2109.49 K9.3@400.83,2109.49 K9.3@404.02,2106.3 ; K9.3@400.83,2106.3 K9.3@404.02,2106.3 ; K9.3@404.11,2106.3 K9.3@404.02,2106.3 ; Q2B.D@570.19,1821.58 R7B.2@570.19,1913.32 570.19,1940.13 K9.3@404.02,2106.3
pads on no net: FD1.M1 FD2.M1 K4.0 K4.1 K7.0 K7.1 K12.0 SW1.3 SW1.4 SW2.3 SW2.4 SW3.3 SW3.4 SW4.3 SW4.4 SW5.3 SW5.4 SW6.3 SW6.4 U3A.1 U3B.1 U4.0 U4.10 U4.13 U4.14 U4.15 U4.16 U4.17 U4.18 U4.19 U4.20 U4.21 U4.22 U6.1
copper on no net:
  other v1: 3110,870 2910,930

## Polygon pours and split planes (outlines as drawn)
GND on Top Layer "Top Layer-No Net" (solid, remove dead copper, pour order 5): 10,100 100,10 3830,10 3920,100 3920,3830 3830,3920 100,3920 10,3830
GND on Bottom Layer "Top Layer-No Net" (solid, remove dead copper, pour order 4): 10,100 100,10 3830,10 3920,100 3920,3830 3830,3920 100,3920 10,3830

## Other copper
Top Layer:
  rectangle net 5V0: 452.76,1122.05 885.83,1417.32
  rectangle net VRAW: 728.35,629.92 964.57,846.46
  rectangle net 3V3: 1043.31,1141.73 1417.32,1437.01
  rectangle net GND: 964.57,1003.94 1102.36,1102.36
  rectangle net NetD4_2: 1220.47,964.57 1751.97,1102.36
  rectangle net 3V3: 1417.32,1240.16 1476.38,1318.9
  rectangle net 3V3: 3100,1540 3180,1620
  rectangle net GND: 2678,1782 2929,2091
Bottom Layer:
  rectangle net VRAW: 728.35,629.92 964.57,984.25
  rectangle net NetD4_2: 1220.47,944.88 1751.97,1102.36
  rectangle net 3V3: 1043.31,1141.73 1417.32,1437.01
  rectangle net 5V0: 452.76,1122.05 885.83,1417.32

## Silkscreen, mask and mechanical layers (free items; w line width, h text height)
Bottom Overlay:
  text "IR" at 2930,3180 h60 r270
  text "SD" at 3125,3180 h60 r270
  text "RTC" at 3320,3180.5 h60 r270
  text "nRF" at 3710,3180 h60 r270
  text "OLED" at 3514,3179.5 h60 r270
  text "5V0" at 610.24,1625.98 h60
  text "3V3" at 803.15,1625.98 h60
  text "ALT0056 - CARNAVAL 2015" at 3023,1187 h120
  text "0215 - RVA" at 2616.98,1072 h120
  text "TX" at 3208.66,570.87 h60
  text "RX" at 3208.66,452.76 h60
  text "VUSB" at 2165.35,59.06 h60
Top Solder:
  rectangle: 2678,1782 2929,2091
Mechanical 15:
  lines w10: 0,98.43 98.43,0 ; 0,98.43 0,3838.58 ; 0,98.43 98.43,0 ; 0,98.43 0,3838.58 ; 0,3838.58 98.42,3937.01 ; 0,3838.58 98.42,3937.01 ; 98.43,0 3838.58,0 ; 98.43,0 3838.58,0 ; 98.42,3937.01 3838.58,3937.01 ; 98.42,3937.01 3838.58,3937.01 ; 3838.58,0 3937.01,98.42 ; 3838.58,0 3937.01,98.42 ; 3838.58,3937.01 3937.01,3838.58 ; 3838.58,3937.01 3937.01,3838.58 ; 3937.01,98.42 3937.01,3838.58 ; 3937.01,98.42 3937.01,3838.58